# Altium PCB Xavier_NX_Carrier_Board_v1.1.PcbDoc (part 4 of 6) (continued)
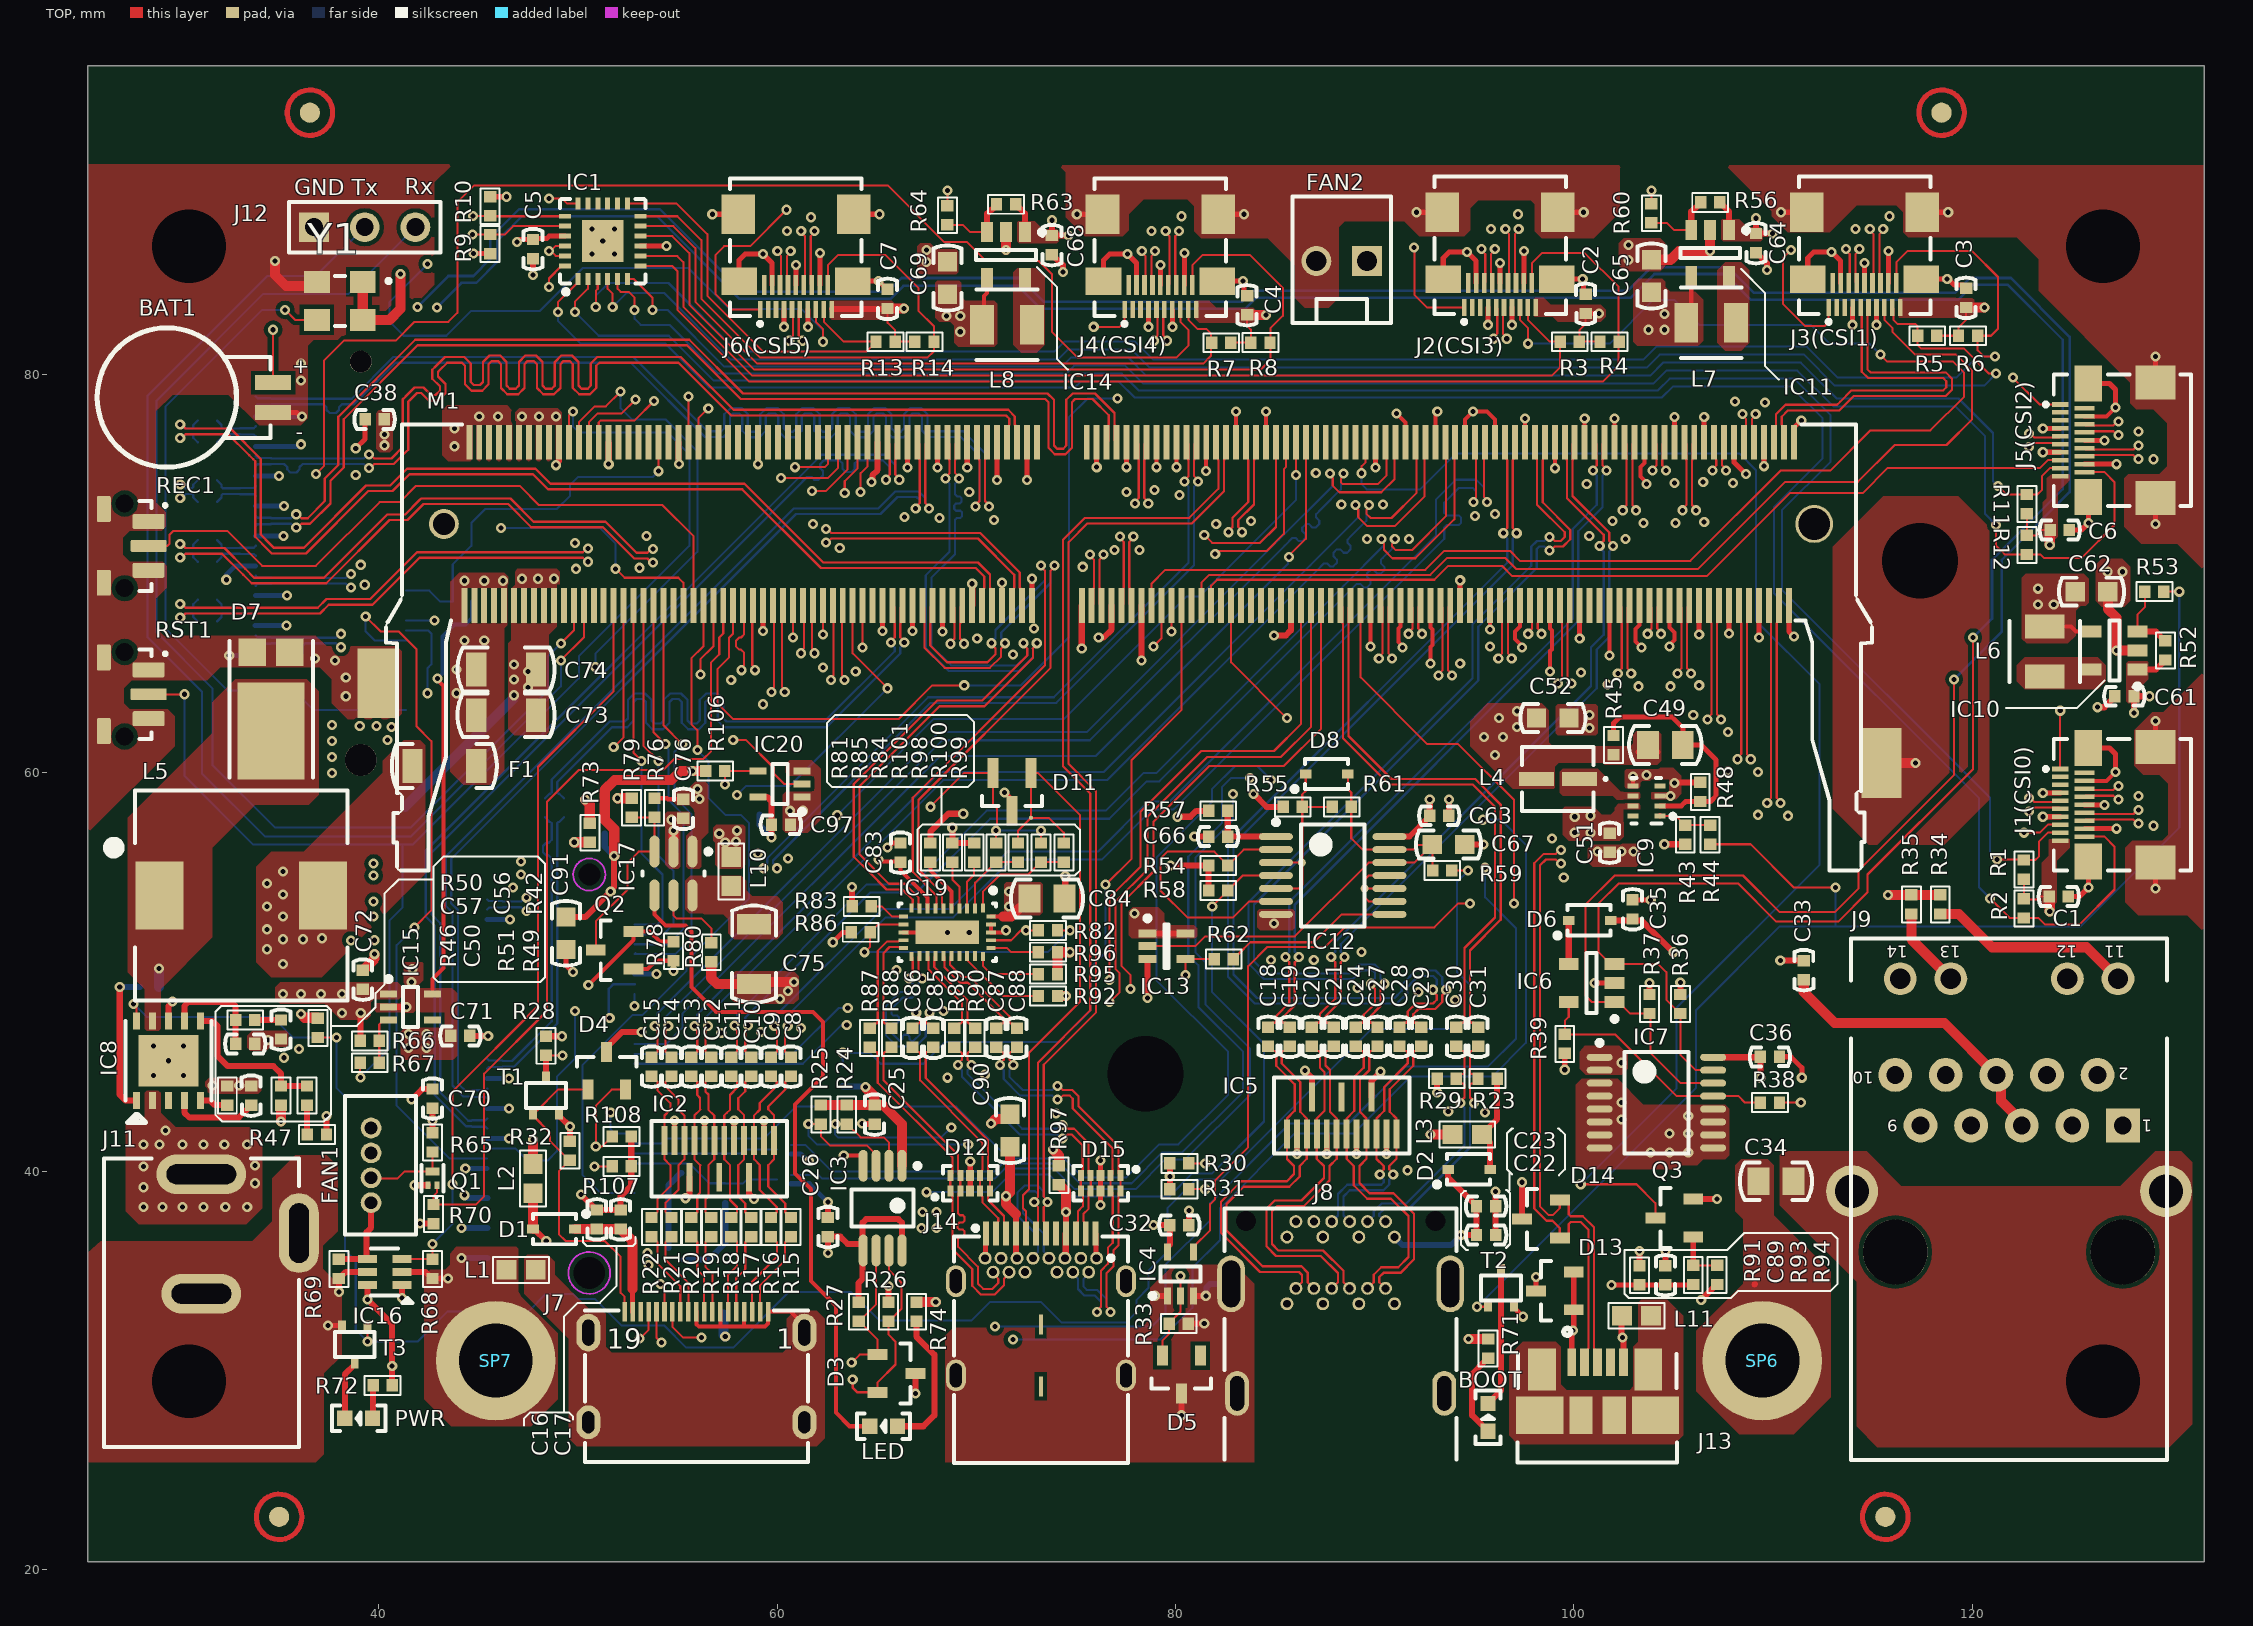
[diagram p0: TOP view]
## Nets (pads, with @x,y where several pads share a name; then routed paths per layer and width w, separated by ;. In a path a pad name is that pad's centre, name@x,y a point inside that pad or via, vN(x,y) a via of type N, cw(c..) or ccw(c..) an arc to the next point about the centre after c; other vN are vias at no path point) (continued)
  BOTTOM w0.102: v1(39.35,67.85) 39.35,67.1 39.8,66.65 J10.54@41.375,66.65 ; v1(41.8,52.25) 40.9,51.35 40.9,43.3 43.55,40.65 J15.55@45.45,40.65
PEX_L0_CLKREQ_N: J10.52 M1.180 | length 31.3
  TOP w0.102: v1(64.3,66.3) M1.180@64.3,68.4
  L4_SIG w0.127: v1(42.45,64) 43.8,62.65 47.1,62.65 50.5,66.05 59.2,66.05 60.45,67.3 61.3,67.3 62.3,66.3 v1(64.3,66.3)
  BOTTOM w0.102: J10.52@41.375,67.15 42.5,67.15 42.65,67 42.65,65.45 42.45,65.25 v1(42.45,64)
PEX_L0_RST_N: J10.50 M1.181 | length 69.3
  TOP w0.102: v1(63.4,74.05) 63.4,74.65 64.05,75.3 M1.181@64.05,76.6
  L4_SIG w0.127: 34.35,79.8 34.375,79.825 ; v1(42.8,67.65) 40.65,67.65 40.35,67.35 38.8,67.35 38.6,67.55 36.85,67.55 36.1,66.8 29.9,66.8 29,67.7 29,77.35 31.475,79.825 34.375,79.825 ; v1(63.4,74.05) 62.95,73.6 58.85,73.6 56.35,76.1 45.55,76.1 44.4,77.25 44.4,78.9 41.6,81.7 36.25,81.7 34.375,79.825
  BOTTOM w0.102: J10.50@41.375,67.65 v1(42.8,67.65)
PMIC_BBAT: BAT1.+ M1.235 | length 28
  TOP w0.102: BAT1.+@34.7,79.6 v1(34.7,82.25) ; M1.235@50.55,76.6 50.55,77.6 51,78.05 52.2,78.05 v1(52.9,78.75)
  L4_SIG w0.127: v1(34.7,82.25) 37.1,82.25 39,84.15 43.2,84.15 48.6,78.75 51.35,78.75 51.7,78.4 52.55,78.4 v1(52.9,78.75)
PWR_EN: IC13.4 M1.237 R62.2 | length 61.4
  TOP w0.102: M1.237@50.05,76.6 50.05,77.6 50.854,78.404 51.404,78.404 v1(52.15,79.15) ; v1(80.5,49.85) IC13.4@80.5,50.65 R62.2@81.95,50.65
  L4_SIG w0.127: v1(50.875,65.325) 53.375,65.325 59.35,59.35 70.25,59.35 72.55,57.05 72.55,55.65 78.35,49.85 v1(80.5,49.85)
  BOTTOM w0.102: v1(50.875,65.325) 50.875,65.975 56,71.1 56,76.15 54.4,77.75 52.7,77.75 52.15,78.3 v1(52.15,79.15)
PWR_GOOD: IC8.10 R42.2 R59.2 T3.1 | length 106.6
  TOP w0.102: v1(27.7,48.4) 27.85,48.25 IC8.10@27.85,47.55 ; R42.2@36.95,46.72 v1(37.88,46.72) ; v1(39.45,31.45) T3.1@39.45,32.25 ; R59.2@93.88,55.1 v1(94.7,55.1)
  BOTTOM w0.102: v1(27.7,48.4) 28.35,47.75 34.65,47.75 35.68,46.72 v1(37.88,46.72) 37.88,44.2 38.305,43.775 38.305,36.045 38.85,35.5 38.85,32.05 v1(39.45,31.45) 41.95,31.45 43.45,32.95 47.5,32.95 48.4,33.85 49.75,33.85 49.8,33.8 50,33.6 50.85,33.6 52.2,32.25 54.35,32.25 55.45,31.15 57.8,31.15 60.6,33.95 63.7,33.95 65.15,32.5 69.75,32.5 70.7,33.45 73.25,33.45 74.297,32.403 77.5,32.403 78.05,32.953 78.05,33.55 78.65,34.15 78.65,35 79.6,35.95 79.6,38.15 81.05,39.6 82.3,39.6 89.85,47.15 94.15,47.15 94.8,47.8 94.8,49.341 94.15,49.992 94.15,54.55 v1(94.7,55.1)
Q: D8.C IC12.3 IC12.5 pad.@86.35,55.5 R55.2 R61.1 | length 9.8
  TOP w0.102: IC12.5@85.05,54.2 86.2,54.2 86.37,54.37 R55.2@86.37,58.3 ; IC12.3@85.05,55.5 pad.@86.35,55.5 ; D8.C@86.545,59.95 86.545,59.095 86.37,58.92 R55.2@86.37,58.3 ; R61.1@87.87,58.3 R55.2@86.37,58.3
QDEL: C67.2 D8.A IC12.12 IC12.13 IC13.2 R59.1 R61.2 | length 25.4
  TOP w0.102: IC13.2@78.6,51.3 81,51.3 81.5,51.8 86,51.8 89.7,55.5 IC12.12@90.75,55.5 92,55.5 C67.2@92.89,56.39 ; D8.A@88.655,59.95 88.655,59.195 88.83,59.02 R61.2@88.83,58.3 88.83,56.72 89.4,56.15 IC12.13@90.75,56.15 91.95,56.15 92.19,56.39 C67.2@92.89,56.39 ; R59.1@92.92,55.1 92.92,56.38 C67.2@92.9,56.4 C67.2@92.89,56.39
SHIELD_OTG: J13.S L11.1
SN_WP: IC6.5 IC7.13 R38.2 R39.2 | length 12.9
  TOP w0.102: IC6.5@99.75,48.5 99.75,47.75 99.55,47.55 R39.2@99.55,46.88 102.07,46.88 105.175,43.775 IC7.13@107,43.775 108.275,43.775 108.6,43.45 R38.2@109.37,43.45
SUSCLK_32KHZ: IC20.2 M1.210 | length 12.2
  TOP w0.102: v1(56.15,64.95) 56.15,65.7 56.8,66.35 M1.210@56.8,68.4 ; v1(57.8,61.65) 58.45,61.65 59.85,60.25 59.85,59.95 60.35,59.45 IC20.2@61.25,59.45
  L4_SIG w0.127: v1(56.15,64.95) 56.15,64.1 57.8,62.45 v1(57.8,61.65)
TMDS_C1_CLK_N: C15.2 IC2.12 R22.1 | length 8.1
  TOP w0.104: R22.1@53.7,37.68 53.725,37.68 53.996,37.951 53.996,38.6 54.646,39.25 54.646,40.304 54.35,40.6 IC2.12@54.35,41.55 54.35,42.8 54.646,43.096 ; C15.2@53.7,44.77 53.725,44.77 53.996,44.499 53.996,44.076 54.646,43.426 54.646,43.1
TMDS_C1_CLK_P: C14.2 IC2.10 R21.1 | length 8.1
  TOP w0.104: R21.1@54.7,37.68 54.675,37.68 54.404,37.951 54.404,38.431 55.054,39.081 55.054,40.3 55.35,40.596 IC2.10@55.35,41.55 55.35,42.804 55.054,43.1 55.054,43.596 54.404,44.246 54.404,44.499 54.675,44.77 C14.2@54.7,44.77
TMDS_C1_D0_N: C13.2 IC2.9 R20.1 | length 7.7
  TOP w0.104: 56.146,40.304 55.85,40.6 IC2.9@55.85,41.55 55.85,42.8 56.146,43.096
  TOP w0.114: R20.1@55.7,37.68 55.725,37.68 55.99,37.945 55.99,38.783 56.135,38.928 56.135,40.3 ; C13.2@55.7,44.77 55.725,44.77 55.99,44.505 55.99,43.826 56.135,43.681 56.135,43.1
TMDS_C1_D0_P: C12.2 IC2.7 R19.1 | length 7.7
  TOP w0.104: 56.554,40.3 56.85,40.596 56.85,42.804 ; 56.554,43.1 56.85,42.804 ; 56.85,42.81 56.85,42.804
  TOP w0.114: 56.554,40.3 56.554,38.754 56.41,38.61 56.41,37.945 56.675,37.68 R19.1@56.7,37.68 ; 56.554,43.1 56.554,43.855 56.41,44 56.41,44.505 56.675,44.77 C12.2@56.7,44.77
TMDS_C1_D1_N: C11.2 IC2.6 R18.1 | length 7.9
  TOP w0.104: 57.643,40.307 57.35,40.6 IC2.6@57.35,41.55 57.35,42.81 57.471,42.931 57.484,42.931 57.646,43.093
  TOP w0.114: 57.635,40.3 57.635,38.565 57.99,38.21 57.99,37.945 57.725,37.68 R18.1@57.7,37.68 ; 57.635,43.11 57.635,43.835 57.99,44.19 57.99,44.505 57.725,44.77 C11.2@57.7,44.77
TMDS_C1_D1_P: C10.2 IC2.4 R17.1 | length 7.9
  TOP w0.104: 58.054,40.3 58.35,40.596 IC2.4@58.35,41.55 58.35,42.81 ; 58.054,43.11 58.35,42.814
  TOP w0.114: 58.054,40.3 58.054,38.738 58.41,38.383 58.41,37.945 58.675,37.68 R17.1@58.7,37.68 ; 58.054,43.11 58.054,43.662 58.41,44.017 58.41,44.505 58.675,44.77 C10.2@58.7,44.77
TMDS_C1_D2_N: C9.2 IC2.3 R16.1 | length 8.3
  TOP w0.104: 59.146,40.304 58.85,40.6 IC2.3@58.85,41.55 58.85,42.81 59.146,43.105
  TOP w0.114: 59.135,40.3 59.135,39.065 59.99,38.21 59.99,37.945 59.725,37.68 R16.1@59.7,37.68 ; 59.135,43.11 59.135,43.427 59.99,44.282 59.99,44.505 59.725,44.77 C9.2@59.7,44.77
TMDS_C1_D2_P: C8.2 IC2.1 R15.1 | length 8.3
  TOP w0.104: 59.554,40.3 59.85,40.596 IC2.1@59.85,41.55 59.85,42.81 ; 59.554,43.11 59.85,42.814
  TOP w0.114: 59.554,40.3 59.554,39.238 60.41,38.383 60.41,37.945 60.675,37.68 R15.1@60.7,37.68 ; 59.554,43.11 59.554,43.253 60.41,44.108 60.41,44.505 60.675,44.77 C8.2@60.7,44.77
TMDS_CEC_IN: D4.2 J7.14 R108.2 | length 14.6
  TOP w0.102: R108.2@51.72,41.75 51.22,41.25 v1(50.9,41.25) 50.9,41.8 50.9,43.3 51.7,44.1 D4.2@52.4,44.1 ; v1(54.15,34.35) 54.35,34.15 J7.14@54.35,32.95
  L4_SIG w0.127: v1(50.9,41.25) 54.15,38 v1(54.15,34.35)
TMDS_CLK_C_N: J7.12 R22.2 | length 4.4
  TOP w0.104: R22.2@53.7,36.72 53.725,36.72 53.996,36.449 53.996,35.376 55.141,34.231 55.141,32.959 J7.12@55.15,32.95
TMDS_CLK_C_P: J7.11 R21.2 | length 4.4
  TOP w0.104: R21.2@54.7,36.72 54.675,36.72 54.404,36.449 54.404,35.546 55.55,34.4 J7.11@55.55,32.95
TMDS_CLK_N: C15.1 M1.81 | length 54.1
  TOP w0.104: C15.1@53.7,45.73 53.725,45.73 53.996,46.001 53.996,47.05 53.863,47.182 v1(53.863,47.291) ; v1(87.768,75.041) 87.768,74.932 87.9,74.8 87.9,74.422 88.231,74.091 90.339,74.091 91.004,74.757 91.004,76.554 M1.81@91.05,76.6
  BOTTOM w0.104: v1(53.863,47.291) 53.863,47.401 53.996,47.533 53.996,47.924 68.122,62.05 75.541,62.05 85.196,71.704 87.896,74.404 ; v1(87.768,75.041) 87.768,74.932 87.9,74.8 87.9,74.4
TMDS_CLK_P: C14.1 M1.83 | length 54
  TOP w0.104: v1(54.537,47.291) 54.537,47.182 54.404,47.05 54.404,46.001 54.675,45.73 C14.1@54.7,45.73 ; v1(88.441,75.041) 88.441,74.932 88.309,74.8 88.309,74.591 88.4,74.5 90.169,74.5 90.596,74.926 90.596,76.554 M1.83@90.55,76.6
  BOTTOM w0.104: v1(54.537,47.291) 54.537,47.401 54.404,47.533 54.404,47.754 68.291,61.641 75.71,61.641 85.485,71.415 85.865,71.795 86.036,71.795 86.193,71.639 86.364,71.639 86.536,71.81 86.536,71.982 86.369,72.149 86.369,72.32 86.54,72.492 86.712,72.492 86.879,72.325 87.05,72.325 87.222,72.496 87.222,72.668 87.065,72.824 87.065,72.996 87.335,73.265 88.309,74.24 88.309,74.8 88.441,74.932 v1(88.441,75.041)
TMDS_D0_C_N: J7.9 R20.2 | length 4.1
  TOP w0.104: R20.2@55.7,36.72 55.725,36.72 55.996,36.449 55.996,35.046 56.341,34.7 56.341,32.959 J7.9@56.35,32.95
TMDS_D0_C_P: J7.8 R19.2 | length 4.1
  TOP w0.104: R19.2@56.7,36.72 56.675,36.72 56.404,36.449 56.404,35.215 56.75,34.869 J7.8@56.75,32.95
TMDS_D0_N: C13.1 M1.75 | length 54.1
  TOP w0.104: C13.1@55.7,45.73 55.725,45.73 55.996,46.001 55.996,47.05 55.863,47.182 v1(55.863,47.291) ; v1(89.047,73.462) 89.047,73.353 89.179,73.221 89.179,72.842 89.631,72.391 91.019,72.391 92.504,73.876 92.504,76.554 M1.75@92.55,76.6
  BOTTOM w0.104: v1(55.863,47.291) 55.863,47.401 55.996,47.533 55.996,47.871 68.175,60.05 76.4,60.05 86.775,70.425 89.179,72.829 89.179,73.166 89.047,73.298 v1@89.047,73.407
TMDS_D0_P: C12.1 M1.77 | length 54
  TOP w0.104: v1(56.537,47.291) 56.537,47.182 56.404,47.05 56.404,46.001 56.675,45.73 C12.1@56.7,45.73 ; v1(89.72,73.462) 89.72,73.353 89.588,73.221 89.588,73.012 89.8,72.8 90.85,72.8 92.096,74.046 92.096,76.554 M1.77@92.05,76.6
  BOTTOM w0.104: v1(56.537,47.291) 56.537,47.401 56.404,47.533 56.404,47.702 68.344,59.641 76.569,59.641 87.064,70.136 87.444,70.516 87.616,70.516 87.763,70.368 87.934,70.368 88.106,70.54 88.106,70.711 87.936,70.881 87.936,71.052 88.108,71.224 88.28,71.224 88.449,71.055 88.62,71.055 88.792,71.226 88.792,71.398 88.645,71.545 88.645,71.716 88.789,71.861 89.588,72.66 89.588,73.166 89.72,73.298 v1@89.72,73.407
TMDS_D1_C_N: J7.6 R18.2 | length 4.1
  TOP w0.104: J7.6@57.55,32.95 57.546,32.954 57.546,34.811 57.996,35.261 57.996,36.449 57.725,36.72 R18.2@57.7,36.72
TMDS_D1_C_P: J7.5 R17.2 | length 4.1
  TOP w0.104: J7.5@57.95,32.95 57.954,32.954 57.954,34.642 58.404,35.092 58.404,36.449 58.675,36.72 R17.2@58.7,36.72
TMDS_D1_N: C11.1 M1.69 | length 54
  TOP w0.104: C11.1@57.7,45.75 57.725,45.75 57.996,46.021 57.996,47.07 57.863,47.202 v1(57.863,47.311) ; v1(90.343,71.745) 90.343,71.635 90.475,71.503 90.475,71.2 90.895,70.78 92.05,70.78 94.004,72.735 94.004,76.554 M1.69@94.05,76.6
  BOTTOM w0.104: v1(57.863,47.311) 57.863,47.421 57.996,47.553 57.996,47.891 64.514,54.409 66.831,54.409 70.531,58.109 76.509,58.109 78.389,59.989 79.03,59.989 88.446,69.404 90.475,71.434 90.475,71.503 90.343,71.635 v1(90.343,71.745)
TMDS_D1_P: C10.1 M1.71 | length 54
  TOP w0.104: v1(58.537,47.311) 58.537,47.202 58.404,47.07 58.404,46.021 58.675,45.75 C10.1@58.7,45.75 ; v1(91.016,71.745) 91.016,71.635 90.884,71.503 90.884,71.369 91.064,71.189 91.88,71.189 93.596,72.904 93.596,76.554 M1.71@93.55,76.6
  BOTTOM w0.104: v1(58.537,47.311) 58.537,47.421 58.404,47.553 58.404,47.722 64.683,54 67,54 70.7,57.7 76.678,57.7 78.559,59.58 79.2,59.58 88.735,69.115 89.115,69.495 89.286,69.495 89.461,69.32 89.632,69.32 89.804,69.492 89.804,69.663 89.622,69.845 89.622,70.017 89.794,70.188 89.965,70.188 90.147,70.006 90.319,70.006 90.49,70.178 90.49,70.349 90.315,70.524 90.315,70.696 90.414,70.795 90.884,71.265 90.884,71.503 91.016,71.635 v1(91.016,71.745)
TMDS_D2_C_N: J7.3 R16.2 | length 4.4
  TOP w0.104: J7.3@58.75,32.95 58.741,32.959 58.741,34.441 59.996,35.696 59.996,36.449 59.725,36.72 R16.2@59.7,36.72
TMDS_D2_C_P: J7.2 R15.2 | length 4.4
  TOP w0.104: J7.2@59.15,32.95 59.15,34.272 60.404,35.526 60.404,36.449 60.675,36.72 R15.2@60.7,36.72
TMDS_D2_N: C9.1 M1.63 | length 54.1
  TOP w0.104: C9.1@59.7,45.73 59.725,45.73 59.996,46.001 59.996,47.05 59.863,47.182 v1(59.863,47.291) ; M1.63@95.55,76.6 95.504,76.554 95.504,73.85 95.637,73.718 v1(95.637,73.609)
  BOTTOM w0.104: v1(59.863,47.291) 59.863,47.401 59.996,47.533 59.996,47.871 65.284,53.159 68.681,53.159 71.581,56.059 76.131,56.059 78.641,58.57 79.732,58.57 93.091,71.928 93.091,73.739 94.072,74.72 95.1,74.72 95.504,74.315 95.504,73.85 95.637,73.718 v1(95.637,73.609)
TMDS_D2_P: C8.1 M1.65 | length 54.1
  TOP w0.104: v1(60.537,47.291) 60.537,47.182 60.404,47.05 60.404,46.001 60.675,45.73 C8.1@60.7,45.73 ; v1(94.963,73.609) 94.963,73.718 95.096,73.85 95.096,76.554 M1.65@95.05,76.6
  BOTTOM w0.104: v1(60.537,47.291) 60.537,47.401 60.404,47.533 60.404,47.702 65.453,52.75 68.85,52.75 71.75,55.65 76.3,55.65 78.811,58.161 79.887,58.161 79.932,58.206 79.947,58.206 93.5,71.759 93.5,71.79 93.5,72.327 93.621,72.449 94.228,72.449 94.349,72.57 94.349,72.813 94.228,72.934 93.621,72.934 93.5,73.055 93.5,73.45 93.5,73.569 94.241,74.311 94.93,74.311 95.096,74.146 95.096,73.85 94.963,73.718 v1(94.963,73.609)
TMDS_HPD: M1.96 R28.1 T1.3 | length 80.7
  TOP w0.102: R28.1@48.4,45.82 v1(49.23,45.82) ; v1(77.75,49.15) 77.75,49.85 77.3,50.3 77.3,53.45 78.903,55.053 78.903,57.553 81.7,60.35 85.45,60.35 87.3,62.2 M1.96@87.3,68.4
  TOP w0.305: T1.3@48.4,44.75 R28.1@48.4,45.82
  L4_SIG w0.127: v1(49.23,45.82) 51.73,45.82 53.65,43.9 53.65,42 64.7,30.95 72.9,30.95 76.65,34.7 76.65,35.25 77.35,35.95 77.35,41.25 75.1,43.5 75.1,46.15 77.738,48.788 77.738,49.138 v1(77.75,49.15)
TMDS_HPD_IN: D4.1 J7.19 R32.2 T1.1 | length 16.7
  TOP w0.102: D4.1@50.5,44.1 49,44.1 47.949,43.049 47.899,43.049 47.75,42.9 T1.1@47.75,42.85 47.75,42.8 48.6,41.95 48.6,41.525 49.575,40.55 R32.2@49.6,40.55 49.05,40 49.05,36.85 49.4,36.5 51.35,36.5 52.15,35.7 52.15,33.9 52.35,33.7 J7.19@52.35,32.95
TMDS_SCL: IC3.2 M1.100 R24.1 | length 47
  TOP w0.102: v1(62.93,42.37) R24.1@63.5,42.37 ; R24.1@63.525,42.37 64.195,41.7 65.35,41.7 65.625,41.425 IC3.2@65.625,40.275 ; v1(76.7,49.6) 76.7,53.75 78.25,55.3 78.25,58.05 81.3,61.1 84.95,61.1 86.3,62.45 M1.100@86.3,68.4
  L4_SIG w0.127: v1(68.75,42.2) 69.7,42.2 72.85,45.35 72.85,45.75 v1(76.7,49.6)
  BOTTOM w0.102: v1(62.93,42.37) 62.9,42.34 62.9,41.85 63.05,41.7 68.25,41.7 v1(68.75,42.2)
TMDS_SCL_5V0: D3.2 IC3.7 J7.15 R26.1 | length 22.5
  TOP w0.102: J7.15@53.95,32.95 53.95,31.65 v1(54.2,31.4) ; D3.2@65.05,28.9 65.05,29.4 65.95,30.3 65.95,31.45 65.6,31.8 R26.1@65.6,32.47 65.625,32.47 66.25,33.095 66.25,34.4 65.625,35.025 IC3.7@65.625,36.025
  TOP w0.127: v1(63.8,29.55) 63.8,29.15 64.05,28.9 D3.2@65.05,28.9
  L4_SIG w0.127: v1(54.2,31.4) 54.2,30.45 55.1,29.55 v1(63.8,29.55)
TMDS_SDA: IC3.3 M1.98 R25.1 | length 51.2
  TOP w0.102: v1(61.57,42.37) R25.1@62.2,42.37 62.2,41.75 62.65,41.3 64.5,41.3 64.975,40.825 IC3.3@64.975,40.275 ; v1(76.7,48.5) 77.2,49 77.2,49.95 77,50.15 77,53.55 78.6,55.15 78.6,57.8 81.6,60.8 85.3,60.8 86.8,62.3 M1.98@86.8,68.4
  L4_SIG w0.127: v1(69.6,41.35) 71.15,41.35 73.35,43.55 73.35,45.15 v1(76.7,48.5)
  BOTTOM w0.102: v1(61.57,42.37) 61.57,41.78 62,41.35 v1(69.6,41.35)
TMDS_SDA_5V0: D3.1 IC3.6 J7.16 R27.1 | length 20.8
  TOP w0.102: v1(53.1,31.6) 53.55,32.05 J7.16@53.55,32.95 ; v1(63.75,30.4) 64.15,30.8 D3.1@65.05,30.8 65.05,31.545 R27.1@64.125,32.47 ; R27.1@64.1,32.47 R27.1@64.125,32.47 ; IC3.6@64.975,36.025 64.975,33.32 R27.1@64.125,32.47
  L4_SIG w0.127: v1(53.1,31.6) 53.45,31.95 54.55,31.95 54.9,31.6 54.9,30.95 55.45,30.4 v1(63.75,30.4)
UART0_CTS: J15.34 M1.105 | length 110.3
  TOP w0.102: v1(81.45,71.95) 81.85,71.55 84.25,71.55 85.05,72.35 M1.105@85.05,76.6
  L4_SIG w0.127: v1(63.55,48.2) 64.15,48.2 65.4,46.95 65.4,36.15 64.8,35.55 64.8,32.85 65.45,32.2 v1(70.95,32.2) ; v1(81.45,71.95) 81.45,68.4 89.5,60.35 89.5,59.05 92.05,56.5 94.3,56.5 v1(95.55,55.25)
  BOTTOM w0.102: J15.34@52.85,45.9 60.8,45.9 63.1,48.2 v1(63.55,48.2) ; v1(70.95,32.2) 78.8,32.2 79.5,32.9 79.5,35.3 81.75,37.55 81.75,38.4 85.75,42.4 88.693,42.4 91.543,45.25 95.693,45.25 97.1,46.657 97.1,52.2 95.55,53.75 v1(95.55,55.25)
UART0_RTS: J15.36 M1.103 | length 111.6
  TOP w0.102: v1(82,71) 82.15,71.15 84.6,71.15 85.45,72 85.45,75.25 85.55,75.35 M1.103@85.55,76.6
  L4_SIG w0.127: v1(63.5,47.35) 64.25,47.35 64.95,46.65 64.95,36.55 64.17,35.77 64.17,32.68 65.3,31.55 v1(71.85,31.55) ; v1(82,71) 82,68.6 90.2,60.4 90.2,59.65 92.2,57.65 v1(95.45,57.65)
  BOTTOM w0.102: J15.36@52.85,45.4 61.3,45.4 63.25,47.35 v1(63.5,47.35) ; v1(71.85,31.55) 79.25,31.55 80.85,33.15 80.85,35.15 82.25,36.55 82.25,38.15 86,41.9 88.95,41.9 91.8,44.75 95.9,44.75 97.6,46.45 97.6,56.4 96.35,57.65 v1(95.45,57.65)
UART0_RXD: J15.22 M1.101 | length 50.6
  TOP w0.102: v1(86.05,74.95) M1.101@86.05,76.6
  L4_SIG w0.127: v1(52.85,48.3) 52.85,49.6 54.1,50.85 60.4,50.85 63.025,53.475 v1(63.025,57.875)
  BOTTOM w0.102: v1(52.85,48.3) J15.22@52.85,48.9 ; v1(63.025,57.875) 67.85,62.7 74.4,62.7 80.55,68.85 81.2,68.85 86.05,73.7 v1(86.05,74.95)
UART0_TXD: J15.32 M1.99 | length 49.7
  TOP w0.102: v1(85.7,70.85) 85.7,70.9 86.55,71.75 M1.99@86.55,76.6
  BOTTOM w0.102: J15.32@52.85,46.4 54.45,46.4 55.25,47.2 55.25,47.9 68.2,60.85 76,60.85 85.664,70.514 85.664,70.814 v1(85.7,70.85)
UART1_RX: J12.3 M1.238 | length 61.9
  TOP w0.102: v1(49.15,66.5) 49.8,67.15 M1.238@49.8,68.4
  BOTTOM w0.102: J12.3@41.84,87.4 38.49,84.05 34.2,84.05 28.85,78.7 28.85,67.05 31.65,64.25 31.65,60.4 34.8,57.25 41.6,57.25 48.5,64.15 48.5,65.85 v1(49.15,66.5)
UART1_TX: J12.2 M1.236 | length 61.5
  TOP w0.102: v1(49.15,65.65) 50.3,66.8 M1.236@50.3,68.4
  BOTTOM w0.102: J12.2@39.3,87.4 36.85,84.95 34.4,84.95 28.4,78.95 28.4,66.8 31.132,64.068 31.132,59.968 34.3,56.8 41.6,56.8 49.15,64.35 v1(49.15,65.65)
USB1_D_N: J14.A7 J14.B7 M1.115 | length 53.9
  TOP w0.107: J14.A7@73.5,36.885 73.403,36.982 73.403,37.483 73.392,37.494 73.392,38.2 73.586,38.394 v1(73.586,38.463) 73.586,38.532 73.392,38.726 73.392,45.348 76.01,47.965 76.01,59.085 74.642,60.453 74.642,71.588 75.578,72.524 80.822,72.524 82.442,74.144 82.442,75.716 82.453,75.727 82.453,76.503 M1.115@82.55,76.6
  BOTTOM w0.107: J14.B7@72.85,35.635 72.85,35.711 73.108,35.969 73.108,36.742 72.75,37.1 72.066,37.784 72.066,38.918 72.432,39.284 73.076,39.284 73.392,38.968 73.392,38.726 73.586,38.532 v1(73.586,38.463)
USB1_D_P: J14.A6 J14.B6 M1.117 | length 53
  TOP w0.107: J14.A6@73,36.885 73.097,36.982 73.097,37.483 73.108,37.494 73.108,38.2 72.913,38.394 v1(72.913,38.463) 72.913,38.532 73.108,38.726 73.108,45.465 75.725,48.083 75.725,58.967 74.357,60.335 74.357,71.706 75.46,72.808 80.704,72.808 82.158,74.262 82.158,75.716 82.147,75.727 82.147,76.503 M1.117@82.05,76.6
  BOTTOM w0.107: v1(72.913,38.463) 72.913,38.532 73.108,38.726 73.108,38.85 72.958,39 72.55,39 72.35,38.8 72.35,37.902 72.75,37.502 73.392,36.86 73.392,35.969 73.65,35.711 J14.B6@73.65,35.635
USB2_AP_N: J15.5 M1.121 | length 50.3
  TOP w0.107: M1.121@81.05,76.6 80.953,76.503 80.953,75.727 80.942,75.716 80.942,74.9 81.137,74.706 v1(81.137,74.637)
  L4_SIG w0.107: v1(47.413,53.063) 47.486,53.063 47.676,53.254 59.021,53.254 59.8,54.033 59.8,54.95 59.99,55.14 v1(59.99,55.213)
  BOTTOM w0.107: J15.5@45.45,53.15 45.537,53.237 46.213,53.237 46.234,53.258 47.15,53.258 47.344,53.063 v1(47.413,53.063) ; v1(59.99,55.213) 59.99,55.282 59.796,55.476 59.796,55.604 67.708,63.517 74.019,63.517 80.942,70.44 80.942,74.374 81.137,74.568 v1(81.137,74.637)
USB2_AP_P: J15.3 M1.123 | length 49.8
  TOP w0.107: v1(80.463,74.637) 80.463,74.706 80.658,74.9 80.658,75.716 80.647,75.727 80.647,76.503 M1.123@80.55,76.6
  L4_SIG w0.107: v1(47.413,53.737) 47.486,53.737 47.676,53.546 58.9,53.546 59.508,54.154 59.508,54.95 59.317,55.14 v1(59.317,55.213)
  BOTTOM w0.107: J15.3@45.45,53.65 45.537,53.563 46.213,53.563 46.234,53.542 47.15,53.542 47.344,53.737 v1(47.413,53.737) ; v1(59.317,55.213) 59.317,55.282 59.512,55.476 59.512,55.722 67.591,63.801 73.901,63.801 80.658,70.558 80.658,74.374 80.463,74.568 v1(80.463,74.637)
USBC_ID: IC19.27 Q2.1 R78.2 R82.1 | length 33.3
  TOP w0.102: IC19.27@70.75,51.6 71.75,51.6 72.25,52.1 v1(72.5,52.1) R82.1@73.12,52.1
  TOP w0.203: Q2.1@52.8,50.15 53.5,50.15 53.92,50.57 R78.2@54.8,50.57 v1(54.8,50.05)
  L4_SIG w0.127: v1(54.8,50.05) 54.9,50.15 62.05,50.15 66.95,55.05 66.95,58.35 67.35,58.75 69.35,58.75 70.45,57.65 70.45,56.25 72.5,54.2 v1(72.5,52.1)
USBC_INTN: IC19.23 R92.1 | length 4.5
  TOP w0.102: IC19.23@69.55,50.8 69.599,50.751 69.599,50.551 71.35,48.8 R92.1@73.12,48.8
USBC_SCL: IC19.26 R96.1 | length 2.5
  TOP w0.102: IC19.26@70.75,51.2 71.55,51.2 71.75,51 R96.1@73.12,51
USBC_SDA: IC19.25 R95.1 | length 3.4
  TOP w0.102: IC19.25@70.35,50.775 70.35,50.3 70.75,49.9 R95.1@73.12,49.9
USBC_VBUS: C90.2 J14.A4 J14.A9 J14.B4 J14.B9 L10.2 R73.2 R81.2 R97.2 | length 20.7
  TOP w0.305: R81.2@67.7,56.48 67.7,57.05 68.6,57.95 v1(69.35,57.95) ; 72,37.85 J14.A4@72,36.885 72.002,36.883 72.002,35.683 J14.B9@72.05,35.635 ; J14.B4@74.45,35.635 74.498,35.683 74.498,36.883 J14.A9@74.5,36.885 v1(74.5,37.95)
  TOP w0.508: v1(49.82,56.52) R73.2@50.6,56.52 ; C90.2@71.7,41.235 71.7,38.95 v1(71.5,38.75) 71.5,38.35 72,37.85 ; R97.2@74.2,39.3 74.5,39 v1(74.5,37.95)
  L4_SIG w0.508: v1(49.82,56.52) 49.898,56.442 57.342,56.442 v1(57.4,56.5)
  other v1: 67.25,37.15 68,37.15 67.3,37.95 68,37.95 57.95,56.55 57.1,56.95 58,57.1
USBSS_RX1_N: IC19.14 R87.2 | length 5.6
  TOP w0.107: R87.2@64.65,47.18 64.881,47.411 64.995,47.411 65.058,47.474 65.058,51.068 65.532,51.542 66.091,51.542 66.102,51.553 66.303,51.553 IC19.14@66.35,51.6
USBSS_RX1_P: IC19.15 R88.2 | length 5.2
  TOP w0.107: R88.2@65.75,47.18 65.519,47.411 65.405,47.411 65.342,47.474 65.342,50.95 65.65,51.258 66.116,51.258 66.127,51.247 66.303,51.247 IC19.15@66.35,51.2
USBSS_RX2_N: IC19.18 R89.2 | length 4.5
  TOP w0.107: IC19.18@67.55,50.8 67.597,50.753 67.597,50.552 67.608,50.541 67.608,50.14 69.283,48.465 69.283,47.474 69.22,47.412 69.132,47.412 R89.2@68.9,47.18
USBSS_RX2_P: IC19.19 R90.2 | length 4.5
  TOP w0.107: IC19.19@67.95,50.8 67.903,50.753 67.903,50.552 67.892,50.541 67.892,50.258 69.567,48.583 69.567,47.474 69.63,47.412 69.718,47.412 R90.2@69.95,47.18
USBSS_RX6_N: IC19.10 M1.161 | length 38.1
  TOP w0.107: IC19.10@66.75,53.23 66.797,53.277 66.797,53.447 66.814,53.464 66.814,53.636 66.3,54.15 65.498,54.15 64.616,55.032 63.854,55.794 63.854,59.448 68.04,63.634 70.3,63.634 72.566,65.9 72.566,66.25 ; M1.161@69.05,76.6 68.953,76.503 68.953,75.727 68.942,75.716 68.942,75.05 69.137,74.856 v1(69.137,74.787)
  TOP w0.114: v1(72.369,66.514) 72.369,66.447 72.566,66.25
  BOTTOM w0.107: v1(69.137,74.787) 69.137,74.718 68.942,74.524 68.942,74.1 68.942,73.976 69.032,73.886 69.172,73.886 69.262,73.796 69.262,73.616 69.172,73.526 68.989,73.526 68.899,73.435 68.899,73.255 68.989,73.165 69.204,73.165 69.294,73.075 69.294,72.894 69.204,72.804 69.032,72.804 68.942,72.714 68.942,72.3 68.942,70.992 67.752,69.802 67.752,66.393 68.745,65.4 72.05,65.4 72.563,65.913 72.563,66.251 72.369,66.445 v1(72.369,66.514)
USBSS_RX6_P: IC19.9 M1.163 | length 38
  TOP w0.107: IC19.9@67.15,53.2 67.103,53.247 67.103,53.454 67.098,53.459 67.098,53.754 66.418,54.434 65.616,54.434 64.138,55.912 64.138,59.33 68.158,63.35 70.418,63.35 72.85,65.782 72.85,66.25 ; v1(68.463,74.787) 68.463,74.856 68.658,75.05 68.658,75.716 68.647,75.727 68.647,76.503 M1.163@68.55,76.6
  TOP w0.114: 72.845,66.25 73.042,66.447 v1(73.042,66.514)
  BOTTOM w0.107: v1(68.463,74.787) 68.463,74.718 68.658,74.524 68.658,72.3 68.658,71.11 67.467,69.92 67.467,66.275 68.627,65.116 72.168,65.116 72.847,65.795 72.847,66.251 73.042,66.445 v1(73.042,66.514)
USBSS_TX1_N: C85.1 IC19.16 | length 9.8
  TOP w0.107: v1(66.619,49.687) 66.619,49.756 66.813,49.95 66.813,50.541 66.797,50.557 66.797,50.728 IC19.16@66.75,50.775 ; v1(67.662,47.963) 67.662,47.894 67.467,47.7 67.467,47.474 67.53,47.412 67.618,47.412 C85.1@67.85,47.18
  BOTTOM w0.107: v1(66.619,49.687) 66.619,49.618 66.813,49.424 66.813,49.15 66.663,49 66.182,49 65.466,48.283 65.466,46.832 66.032,46.266 66.968,46.266 67.467,46.765 67.467,47.7 67.662,47.894 v1(67.662,47.963)
USBSS_TX1_P: C86.1 IC19.17 | length 9.8
  TOP w0.107: C86.1@66.8,47.18 67.032,47.412 67.12,47.412 67.183,47.474 67.183,47.7 66.988,47.894 v1(66.988,47.963) ; IC19.17@67.15,50.8 67.103,50.753 67.103,50.547 67.097,50.541 67.097,49.95 67.292,49.756 v1(67.292,49.687)
  BOTTOM w0.107: v1(66.988,47.963) 66.988,47.894 67.183,47.7 67.183,46.883 66.85,46.55 66.744,46.55 66.654,46.64 66.654,46.763 66.564,46.853 66.384,46.853 66.294,46.763 66.294,46.64 66.203,46.55 66.15,46.55 65.75,46.95 65.75,47.364 65.84,47.454 66.041,47.454 66.131,47.544 66.131,47.725 66.041,47.815 65.84,47.815 65.75,47.905 65.75,48 65.75,48.166 66.3,48.716 66.781,48.716 67.097,49.032 67.097,49.424 67.292,49.618 v1(67.292,49.687)
USBSS_TX2_N: C87.1 IC19.20 | length 5.3
  TOP w0.107: IC19.20@68.35,50.8 68.397,50.753 68.397,50.552 68.408,50.541 68.408,50.24 69.182,49.466 69.59,49.466 71.383,47.673 71.383,47.474 71.32,47.412 71.232,47.412 C87.1@71,47.18
USBSS_TX2_P: C88.1 IC19.21 | length 5.3
  TOP w0.107: IC19.21@68.75,50.8 68.703,50.753 68.703,50.552 68.692,50.541 68.692,50.358 69.3,49.75 69.708,49.75 71.667,47.791 71.667,47.474 71.73,47.412 71.818,47.412 C88.1@72.05,47.18
USBSS_TX6_N: IC19.7 M1.166 | length 32
  TOP w0.107: M1.166@67.8,68.4 67.703,68.303 67.703,67.527 67.692,67.516 67.692,66.402 68.536,65.558 70.564,65.558 70.966,65.96 70.966,66.251 70.774,66.442 v1(70.774,66.514) ; IC19.7@67.95,53.2 67.997,53.247 67.997,53.448 68.008,53.459 68.008,53.842 66.816,55.034 66.816,58.76 73.45,65.395 73.45,70.15 73.256,70.344 v1(73.256,70.413)
  BOTTOM w0.107: v1(73.256,70.413) 73.256,70.344 73.45,70.15 73.45,69.663 73.343,69.557
  BOTTOM w0.114: v1@70.774,66.587 70.964,66.778 70.964,67.177 73.343,69.557
USBSS_TX6_P: IC19.6 M1.168 | length 33.1
  TOP w0.107: M1.168@67.3,68.4 67.397,68.303 67.397,67.527 67.408,67.516 67.408,66.284 68.418,65.274 70.682,65.274 71.25,65.842 71.25,66.25 71.447,66.447 v1(71.447,66.514) ; IC19.6@68.35,53.2 68.303,53.247 68.303,53.448 68.292,53.459 68.292,53.96 67.1,55.152 67.1,58.643 73.734,65.277 73.734,70.15 73.929,70.344 v1(73.929,70.413)
  BOTTOM w0.107: 73.734,69.534 73.734,70.15 73.929,70.344 v1(73.929,70.413)
  BOTTOM w0.114: v1(71.447,66.514) 71.447,66.587 71.256,66.778 71.256,67.056 73.734,69.534
VDD_MOD: C73.2 C74.2 F1.2 M1.251 M1.252 M1.253 M1.254 M1.255 M1.256 M1.257 M1.258 M1.259 M1.260
  other v1: 43.9,64 43.9,65.2 44.3,66.65 45.3,66.65 44.3,69.65 45.3,69.65 46.25,69.65 43.8,76.4 43.8,77.3 45.05,77.9 46,77.9
VIN: C53.2 C54.2 C55.2 IC8.2 J11.1
  other v1: 28.2,38.2 29.15,38.2 30.15,38.2 31.2,38.2 32.3,38.2 33.4,38.2 28.2,39.2 33.8,39.4 28.2,40.25 33.8,40.3 28.2,41.35 29,41.35 30.15,41.35 31.2,41.35 32.25,41.35 33.4,41.35 29.3,42.05
W_DISABLE1: J15.56 Q5.3 R105.1 | length 7.7
  BOTTOM w0.102: J15.56@52.85,40.4 55.6,40.4 56.6,39.4 R105.1@57.4,39.4 ; R105.1@57.4,39.38 58.282,39.38 58.502,39.6 Q5.3@60,39.6
W_DISABLE1_CTRL: M1.128 Q5.1 | length 54
  TOP w0.102: v1(78.9,66.35) 79.3,66.75 M1.128@79.3,68.4
  L4_SIG w0.127: v1(78.9,66.35) 82.9,62.35 v1(82.9,58.95)
  BOTTOM w0.102: Q5.1@60.7,39.825 62.075,39.825 62.25,39.65 70.95,39.65 71.434,40.134 73.916,40.134 74.95,39.1 78,39.1 79.496,40.596 80.496,40.596 83.754,43.854 83.754,46.146 81.504,48.396 81.504,50.496 81,51 81,55.75 82.9,57.65 v1(82.9,58.95)
W_DISABLE2: J15.54 Q4.3 R104.1 | length 7.2
  BOTTOM w0.102: J15.54@52.85,40.9 55.202,40.9 58.177,40.9 58.377,41.1 Q4.3@60,41.1
XVS: J1(CSI0).1 J2(CSI3).1 J3(CSI1).1 J4(CSI4).1 J5(CSI2).1 J6(CSI5).1 M1.206 pad.@72.75,85.2 pad.@75.6,86.15 | length 181.4
  TOP w0.102: M1.206@57.8,68.4 57.8,67 57.6,66.8 57.6,65.8 57,65.2 57,63.5 57.8,62.7 66.1,62.7 67.8,64.4 v1(69.4,64.4) ; 59.15,83.275 57.675,83.275 56.9,84.05 56.9,86 57.35,86.45 58.65,86.45 v1(60.475,88.275) ; v1(75.9,82.4) 77.2,82.4 77.45,82.65 77.45,83.275 ; v1(91.975,86.375) 92,86.35 92,84 92.625,83.375 94.5,83.375 ; v1(110.9,86.25) 110.503,85.853 110.503,83.547 111.6,82.45 112.617,82.45 112.8,82.633 112.8,83.375 ; v1(122.05,79.85) 123.4,78.5 124.425,78.5 ; 124.425,60.2 v1(124.425,63.125)
  L4_SIG w0.127: v1(60.475,88.275) 60.9,88.7 62.85,88.7 66.35,85.2 pad.@72.75,85.2 ; v1(75.9,82.4) 75.1,83.2 75.1,84.6 75.6,85.1 pad.@75.6,86.15 ; v1(77.1,78.8) 74.45,78.8 72.75,80.5 pad.@72.75,85.2 ; v1(124.425,63.125) 124.425,65.325 125.85,66.75 125.85,70.2 129.85,74.2 129.85,77.3 127.3,79.85 v1(122.05,79.85) 122.05,81.7 121.4,82.35 120.1,82.35 119.55,82.9 119.55,85.15 116.15,88.55 113.2,88.55 v1(110.9,86.25) 109,86.25 106.6,88.65 94.25,88.65 v1(91.975,86.375) 89.6,88.75 78.2,88.75 pad.@75.6,86.15 ; pad.@72.75,85.2 73.7,86.15 pad.@75.6,86.15
  BOTTOM w0.102: v1(69.4,64.4) 72.25,64.4 74.65,66.8 74.65,77.85 75.6,78.8 v1(77.1,78.8)